# KiCad board data-center-rdimm-ddr5-tester.kicad_pcb (continued)
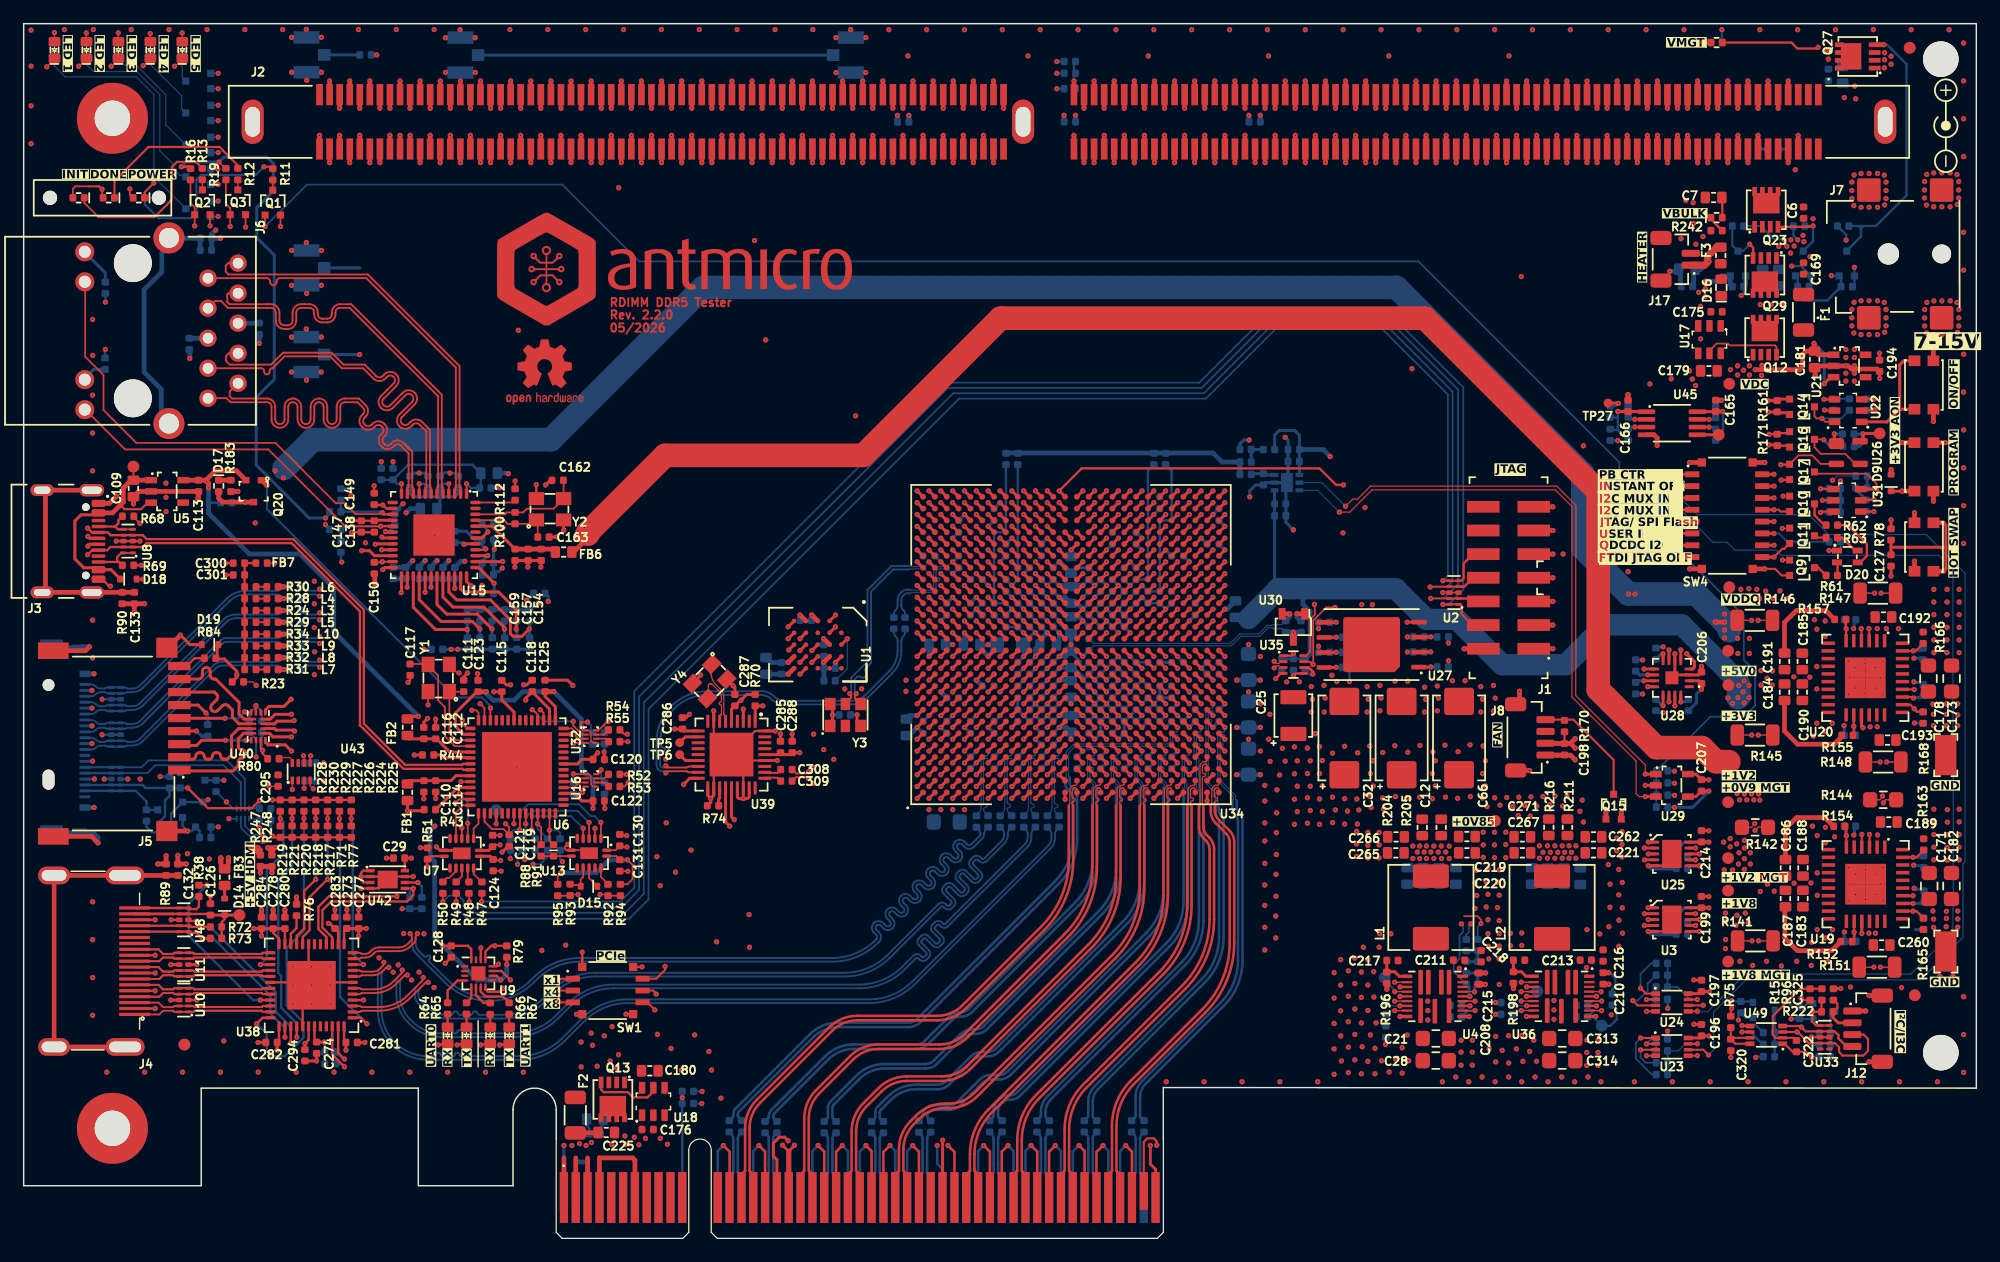
[diagram p0: board, top side]
## Nets (continued)
/Debug FTDI + VNA/AUX.TDO: R58.2 U34.A9
/Debug FTDI + VNA/AUX.TMS: R59.2 U34.D9
/Debug FTDI + VNA/BDBUS0: R56.1 U6.22 U13.2
/Debug FTDI + VNA/BDBUS1: R57.1 U6.23 U13.4
/Debug FTDI + VNA/BDBUS2: R58.1 U6.24 U13.5
/Debug FTDI + VNA/BDBUS3: R59.1 R88.2 U6.25
/Debug FTDI + VNA/CC1: J3.A5 R68.2 U8.5 U8.6
/Debug FTDI + VNA/CC2: J3.B5 R69.1 U8.1 U8.10
/Debug FTDI + VNA/DBG_USB_N: J3.A7 J3.B7 U6.7 U8.4 U8.7
/Debug FTDI + VNA/DBG_USB_P: J3.A6 J3.B6 U6.8 U8.2 U8.9
/Debug FTDI + VNA/FTDI.SCL: R92.2 R94.2 R179.2 U24.3
/Debug FTDI + VNA/FTDI.SDA: R93.1 R95.2 R176.2 U23.3
/Debug FTDI + VNA/FTDI_3V3: C113.2 C115.1 C118.1 C119.1 C120.1 C121.2 C128.2 C130.2 C235.2 C237.2 FB1.1 FB2.1 Q20.2 R43.1 R79.1 R251.2 U5.5 U6.16 U6.36 U6.44 U6.50 U7.1 U9.10 U9.16 U13.1 U16.1 U16.5 U32.1 U32.5
/Debug FTDI + VNA/FTDI_EECLK: U6.56 U9.11
/Debug FTDI + VNA/FTDI_EECS: U6.1 U9.12
/Debug FTDI + VNA/FTDI_EEDAT: U6.55 U9.14
/Debug FTDI + VNA/FTDI_JTAG_RST: TP1.1 U6.18
/Debug FTDI + VNA/FTDI_JTAG_TCK: U6.12 U7.3
/Debug FTDI + VNA/FTDI_JTAG_TDI: U6.13 U7.4
/Debug FTDI + VNA/FTDI_JTAG_TDO: U6.14 U7.5
/Debug FTDI + VNA/FTDI_JTAG_TMS: U6.15 U7.2
/Debug FTDI + VNA/FTDI_PWREN: Q20.1 R79.2 U6.54 U9.13
/Debug FTDI + VNA/FTDI_SCL: R92.1 U13.13
/Debug FTDI + VNA/FTDI_SDA_IN: D15.2 R93.2 U13.10
/Debug FTDI + VNA/FTDI_SDA_OUT: D15.1 U13.11
/Debug FTDI + VNA/FTDI_UART0_RX: U6.33 U16.2
/Debug FTDI + VNA/FTDI_UART0_TX: U6.32 U16.3
/Debug FTDI + VNA/FTDI_UART1_RX: U6.46 U32.2
/Debug FTDI + VNA/FTDI_UART1_TX: U6.42 U32.3
/Debug FTDI + VNA/FTDI_VCORE: C122.1 C123.1 C125.1 U6.2 U6.31 U6.43
/Debug FTDI + VNA/FTDI_VPHY: C112.1 C116.1 FB2.2 U6.5
/Debug FTDI + VNA/FTDI_VPLL: C110.1 C114.1 FB1.2 U6.9
/Debug FTDI + VNA/FTDI_XI: C111.1 U6.3 Y1.1
/Debug FTDI + VNA/FTDI_XO: C117.1 U6.4 Y1.3
/Debug FTDI + VNA/I2C_EN: R60.1 R91.1 U6.27
/Debug FTDI + VNA/JTAG.TCK: J1.6 R48.2 U2.2 U2.9 U34.AE12
/Debug FTDI + VNA/JTAG.TDI: J1.10 R49.2 U2.5 U2.6 U34.AB12
/Debug FTDI + VNA/JTAG.TDO: J1.8 R50.2 U2.4 U2.7 U34.Y10
/Debug FTDI + VNA/JTAG.TMS: J1.4 R47.2 U2.1 U2.10 U34.AB10
/Debug FTDI + VNA/LED_RX0: R65.2 U9.5
/Debug FTDI + VNA/LED_RX1: R67.2 U9.7
/Debug FTDI + VNA/LED_TX0: R64.2 U9.4
/Debug FTDI + VNA/LED_TX1: R66.2 U9.6
/Debug FTDI + VNA/UART0.RX: R53.2 U34.G10
/Debug FTDI + VNA/UART0.TX: R52.2 U34.G9
/Debug FTDI + VNA/UART1.RX: R55.2 U34.F9
/Debug FTDI + VNA/UART1.TX: R54.2 U34.F10
/Ethernet/ETH1_N: J6.2 U15.3
/Ethernet/ETH1_P: J6.1 U15.2
/Ethernet/ETH2_N: J6.4 U15.6
/Ethernet/ETH2_P: J6.3 U15.5
/Ethernet/ETH3_N: J6.8 U15.8
/Ethernet/ETH3_P: J6.7 U15.7
/Ethernet/ETH4_N: J6.10 U15.11
/Ethernet/ETH4_P: J6.9 U15.10
/Ethernet/ETH.MDC: U15.36 U34.C22
/Ethernet/ETH.MDIO: R110.1 U15.37 U34.A24
/Ethernet/ETH.REF_CLK: R107.1 R119.1 U15.41 U34.B24
/Ethernet/ETH.RX_CTL: R105.1 R117.1 U15.33 U34.C21
/Ethernet/ETH.RXC: R106.1 R118.1 U15.35 U34.B21
/Ethernet/ETH.RXD0: R101.1 R113.1 U15.32 U34.A19
/Ethernet/ETH.RXD1: R102.1 R114.1 U15.31 U34.B17
/Ethernet/ETH.RXD2: R103.1 R115.1 U15.28 U34.C17
/Ethernet/ETH.RXD3: R104.1 R116.1 U15.27 U34.A15
/Ethernet/ETH.TX_CTL: U15.25 U34.D21
/Ethernet/ETH.TXC: U15.24 U34.E21
/Ethernet/ETH.TXD0: U15.19 U34.B15
/Ethernet/ETH.TXD1: U15.20 U34.A18
/Ethernet/ETH.TXD2: U15.21 U34.A20
/Ethernet/ETH.TXD3: U15.22 U34.A17
/Ethernet/ETH.~{INT}: U15.38 U34.A25
/Ethernet/ETH.~{RESET}: R111.1 U15.42 U34.C23
/Ethernet/LED_LINK: J6.14 R109.1 R121.1 U15.17
/Ethernet/LED_SPD: J6.12 R108.1 R120.1 U15.15
/FPGA banks HD/FPGA_DDR.SCL: R122.2 R177.2 U24.1 U34.W15 U45.7
/FPGA banks HD/FPGA_DDR.SDA: R123.2 R174.2 U23.1 U34.W14 U45.6
/FPGA banks HD/FPGA_I3C.SCL: R97.1 U34.F12 U49.6
/FPGA banks HD/FPGA_I3C.SDA: R231.1 U34.G12 U49.5
/FPGA banks HD/HDMI_IN_I2C.SCL: U34.H12 U44.3
/FPGA banks HD/HDMI_IN_I2C.SDA: U34.J12 U44.2
/FPGA banks HD/HDMI_OUT_I2C.SCL: R236.1 U34.H13 U38.46
/FPGA banks HD/HDMI_OUT_I2C.SDA: R237.1 U34.J13 U38.47
/FPGA banks HD/USR_LED1: Q8.1 U34.J9
/FPGA banks HD/USR_LED2: Q7.1 U34.J10
/FPGA banks HD/USR_LED3: Q6.1 U34.J11
/FPGA banks HD/USR_LED4: Q5.1 U34.K9
/FPGA banks HD/USR_LED5: Q4.1 U34.K10
/FPGA banks HP/GCLK_100_LVDS+: U34.B19 Y3.4
/FPGA banks HP/GCLK_100_LVDS-: U34.B20 Y3.5
/FPGA banks HP/HyperRAM.CK_N: U1.B1 U34.E17
/FPGA banks HP/HyperRAM.CK_P: U1.B2 U34.E16
/FPGA banks HP/HyperRAM.DQ0: U1.D3 U34.H16
/FPGA banks HP/HyperRAM.DQ1: U1.D2 U34.C16
/FPGA banks HP/HyperRAM.DQ2: U1.C4 U34.E15
/FPGA banks HP/HyperRAM.DQ3: U1.D4 U34.D15
/FPGA banks HP/HyperRAM.DQ4: U1.D5 U34.G16
/FPGA banks HP/HyperRAM.DQ5: U1.E3 U34.H17
/FPGA banks HP/HyperRAM.DQ6: U1.E2 U34.D16
/FPGA banks HP/HyperRAM.DQ7: U1.E1 U34.G17
/FPGA banks HP/HyperRAM.RWDS: U1.C3 U34.G15
/FPGA banks HP/HyperRAM.~{CS}: R2.2 U1.A3 U34.H18
/FPGA banks HP/HyperRAM.~{RESET}: R1.2 U1.A4 U34.F15
/FPGA banks HP/SD.CD: D19.1 R23.1 R84.1 U34.E20
/FPGA banks HP/SD.CLK: U34.F18 U40.5
/FPGA banks HP/SD.CMD: U34.H19 U40.16
/FPGA banks HP/SD.DAT0: U34.G20 U40.3
/FPGA banks HP/SD.DAT1: U34.G21 U40.4
/FPGA banks HP/SD.DAT2: U34.F19 U40.1
/FPGA banks HP/SD.DAT3: U34.F20 U40.2
/FPGA banks HP/VREF: R255.2 R256.2 R257.2 R258.2 R259.2 R260.2
/FPGA banks HP/VREF_64: C333.1 R129.2 R257.1 U34.W18
/FPGA banks HP/VREF_65: C334.1 R130.2 R258.1 U34.V18
/FPGA banks HP/VREF_66: C335.1 R131.2 R259.1 U34.J18
/FPGA banks HP/VREF_67: C336.1 R132.2 R260.1 U34.J16
/FPGA banks HP/VRP_64: R133.1 U34.AF23
/FPGA banks HP/VRP_65: R134.1 U34.W21
/FPGA banks HP/VRP_66: R180.1 U34.M22
/FPGA banks HP/VRP_67: R182.1 U34.F17
/FPGA Config/DONE: Q3.1 R19.2 U34.AB11
/FPGA Config/DX_N: U34.T13 U35.3
/FPGA Config/DX_P: U34.T14 U35.2
/FPGA Config/FLASH.IO0: R6.2 U34.AD11
/FPGA Config/FLASH.IO1: R7.2 U34.AC12
/FPGA Config/FLASH.IO2: R8.2 U34.AC11
/FPGA Config/FLASH.IO3: R9.2 U34.AE11
/FPGA Config/FLASH.SCK: R10.1 U27.6 U34.Y11
/FPGA Config/FLASH.~{CS}: R3.2 U27.1 U34.AA12
/FPGA Config/FPGA_PWR.SCL: R159.2 R178.2 U24.2 U34.W13 U35.8
/FPGA Config/FPGA_PWR.SDA: R150.2 R175.2 U23.2 U34.W12 U35.7
/FPGA Config/INIT_B: Q2.1 R16.2 U34.W10
/FPGA Config/MODE0: R17.1 U34.AA10
/FPGA Config/POR_OVERRIDE: R37.2 R194.1 U34.Y12
/FPGA Config/PROGRAM_B: D9.1 R18.2 SW2.1 SW2.2 U34.AB9
/FPGA Config/PUDC_B: R21.2 R22.1 U34.W9
/FPGA Config/VREFN: C69.1 TP4.2 U34.P13
/FPGA Config/VREFP: C69.2 TP3.2 U34.R14
/FPGA Config/~{ALARM}: R20.2 U35.6
/FPGA Config/~{THERM}: R39.2 U35.4
/FPGA MGT Interface/GTR_REFCLK0_N: C222.1 U34.AB6
/FPGA MGT Interface/GTR_REFCLK0_P: C258.1 U34.AB7
/FPGA MGT Interface/GTY_224_TX0_N: C252.2 U34.AF6
/FPGA MGT Interface/GTY_224_TX0_P: C251.2 U34.AF7
/FPGA MGT Interface/GTY_224_TX1_N: C254.2 U34.AE8
/FPGA MGT Interface/GTY_224_TX1_P: C253.2 U34.AE9
/FPGA MGT Interface/GTY_224_TX2_N: C250.1 U34.AD6
/FPGA MGT Interface/GTY_224_TX2_P: C255.2 U34.AD7
/FPGA MGT Interface/GTY_224_TX3_N: C257.2 U34.AC4
/FPGA MGT Interface/GTY_224_TX3_P: C256.2 U34.AC5
/FPGA MGT Interface/GTY_225_TX0_N: C230.2 U34.AA4
/FPGA MGT Interface/GTY_225_TX0_P: C226.2 U34.AA5
/FPGA MGT Interface/GTY_225_TX1_N: C231.2 U34.W4
/FPGA MGT Interface/GTY_225_TX1_P: C227.2 U34.W5
/FPGA MGT Interface/GTY_225_TX2_N: C233.1 U34.U4
/FPGA MGT Interface/GTY_225_TX2_P: C228.2 U34.U5
/FPGA MGT Interface/GTY_225_TX3_N: C232.2 U34.R4
/FPGA MGT Interface/GTY_225_TX3_P: C229.2 U34.R5
/FPGA MGT Interface/HDMI_CTL.SCL: R239.1 U34.C14 U38.16 U39.22 U42.6
/FPGA MGT Interface/HDMI_CTL.SDA: R234.1 U34.D14 U38.15 U39.23 U42.5
/FPGA MGT Interface/HDMI_FPGA.RX0_N: C306.2 U34.M1
/FPGA MGT Interface/HDMI_FPGA.RX0_P: C307.2 U34.M2
/FPGA MGT Interface/HDMI_FPGA.RX1_N: C304.2 U34.K1
/FPGA MGT Interface/HDMI_FPGA.RX1_P: C305.2 U34.K2
/FPGA MGT Interface/HDMI_FPGA.RX2_N: C302.2 U34.H1
/FPGA MGT Interface/HDMI_FPGA.RX2_P: C303.2 U34.H2
/FPGA MGT Interface/HDMI_FPGA.TX0_N: C276.2 U34.N4
/FPGA MGT Interface/HDMI_FPGA.TX0_P: C275.2 U34.N5
/FPGA MGT Interface/HDMI_FPGA.TX1_N: C290.2 U34.L4
/FPGA MGT Interface/HDMI_FPGA.TX1_P: C279.2 U34.L5
/FPGA MGT Interface/HDMI_FPGA.TX2_N: C293.2 U34.J4
/FPGA MGT Interface/HDMI_FPGA.TX2_P: C292.2 U34.J5
/FPGA MGT Interface/HDMI_FPGA.TX_CLK_N: C245.2 U34.G4
/FPGA MGT Interface/HDMI_FPGA.TX_CLK_P: C244.2 U34.G5
/FPGA MGT Interface/HDMI_IN.CLK_N: C291.2 J11.9 L7.1 U41.5 U41.6
/FPGA MGT Interface/HDMI_IN.CLK_P: C289.2 J11.11 L8.1 U41.4 U41.7
/FPGA MGT Interface/HDMI_IN.D0_N: C306.1 J11.12 L9.1 U41.2 U41.9
/FPGA MGT Interface/HDMI_IN.D0_P: C307.1 J11.14 L10.1 U41.1 U41.10
/FPGA MGT Interface/HDMI_IN.D1_N: C304.1 J11.15 L5.1 U37.5 U37.6
/FPGA MGT Interface/HDMI_IN.D1_P: C305.1 J11.17 L3.1 U37.4 U37.7
/FPGA MGT Interface/HDMI_IN.D2_N: C302.1 J11.18 L4.1 U37.2 U37.9
/FPGA MGT Interface/HDMI_IN.D2_P: C303.1 J11.20 L6.1 U37.1 U37.10
/FPGA MGT Interface/HDMI_IN_CLK_C_N: C291.1 U34.M6
/FPGA MGT Interface/HDMI_IN_CLK_C_P: C289.1 U34.M7
/FPGA MGT Interface/HDMI_OUT.CLK_N: C245.1 U38.12
/FPGA MGT Interface/HDMI_OUT.CLK_P: C244.1 U38.11
/FPGA MGT Interface/HDMI_OUT.D0_N: C276.1 U38.9
/FPGA MGT Interface/HDMI_OUT.D0_P: C275.1 U38.8
/FPGA MGT Interface/HDMI_OUT.D1_N: C290.1 U38.6
/FPGA MGT Interface/HDMI_OUT.D1_P: C279.1 U38.5
/FPGA MGT Interface/HDMI_OUT.D2_N: C293.1 U38.3
/FPGA MGT Interface/HDMI_OUT.D2_P: C292.1 U38.2
/FPGA MGT Interface/HDMI_REC_CLK_C_N: C316.2 U39.17
/FPGA MGT Interface/HDMI_REC_CLK_C_P: C315.2 U39.16
/FPGA MGT Interface/HDMI_SI5319_C_CLK_N: C308.1 U39.29
/FPGA MGT Interface/HDMI_SI5319_C_CLK_P: C309.1 U39.28
/FPGA MGT Interface/HDMI_SI5319_CLK_N: C308.2 U34.P6
/FPGA MGT Interface/HDMI_SI5319_CLK_P: C309.2 U34.P7
/FPGA MGT Interface/PCIE.CLK_N: C222.2 J10.A14
/FPGA MGT Interface/PCIE.CLK_P: C258.2 J10.A13
/FPGA MGT Interface/PCIE.RXD0_N: J10.B15 U34.P1
/FPGA MGT Interface/PCIE.RXD0_P: J10.B14 U34.P2
/FPGA MGT Interface/PCIE.RXD1_N: J10.B20 U34.T1
/FPGA MGT Interface/PCIE.RXD1_P: J10.B19 U34.T2
/FPGA MGT Interface/PCIE.RXD2_N: J10.B24 U34.V1
/FPGA MGT Interface/PCIE.RXD2_P: J10.B23 U34.V2
/FPGA MGT Interface/PCIE.RXD3_N: J10.B28 U34.Y1
/FPGA MGT Interface/PCIE.RXD3_P: J10.B27 U34.Y2
/FPGA MGT Interface/PCIE.RXD4_N: J10.B34 U34.AB1
/FPGA MGT Interface/PCIE.RXD4_P: J10.B33 U34.AB2
/FPGA MGT Interface/PCIE.RXD5_N: J10.B38 U34.AD1
/FPGA MGT Interface/PCIE.RXD5_P: J10.B37 U34.AD2
/FPGA MGT Interface/PCIE.RXD6_N: J10.B42 U34.AE3
/FPGA MGT Interface/PCIE.RXD6_P: J10.B41 U34.AE4
/FPGA MGT Interface/PCIE.RXD7_N: J10.B46 U34.AF1
/FPGA MGT Interface/PCIE.RXD7_P: J10.B45 U34.AF2
/FPGA MGT Interface/PCIE.TXD0_N: C232.1 J10.A17
/FPGA MGT Interface/PCIE.TXD0_P: C229.1 J10.A16
/FPGA MGT Interface/PCIE.TXD1_N: C233.2 J10.A22
/FPGA MGT Interface/PCIE.TXD1_P: C228.1 J10.A21
/FPGA MGT Interface/PCIE.TXD2_N: C231.1 J10.A26
/FPGA MGT Interface/PCIE.TXD2_P: C227.1 J10.A25
/FPGA MGT Interface/PCIE.TXD3_N: C230.1 J10.A30
/FPGA MGT Interface/PCIE.TXD3_P: C226.1 J10.A29
/FPGA MGT Interface/PCIE.TXD4_N: C257.1 J10.A36
/FPGA MGT Interface/PCIE.TXD4_P: C256.1 J10.A35
/FPGA MGT Interface/PCIE.TXD5_N: C250.2 J10.A40
/FPGA MGT Interface/PCIE.TXD5_P: C255.1 J10.A39
/FPGA MGT Interface/PCIE.TXD6_N: C254.1 J10.A44
/FPGA MGT Interface/PCIE.TXD6_P: C253.1 J10.A43
/FPGA MGT Interface/PCIE.TXD7_N: C252.1 J10.A48
/FPGA MGT Interface/PCIE.TXD7_P: C251.1 J10.A47
/FPGA MGT Interface/XA: U39.6 Y4.1
/FPGA MGT Interface/XB: U39.7 Y4.3
/HDMI + SD Card/EQ_SEL: R218.2 R227.1 U38.21
/HDMI + SD Card/HDMI0.HPD: J4.19 R38.2 U48.5 U48.6
/HDMI + SD Card/HDMI_5V: D14.2 FB3.2
/HDMI + SD Card/HDMI_CONN_5V: C126.2 D14.1 J4.18 R72.2 R73.2 TP2.1 U48.4 U48.7
/HDMI + SD Card/HDMI_IN_5V: C93.1 J11.3 Q21.1 R81.2 R82.2 R85.2 U44.8 U47.4 U47.7
/HDMI + SD Card/HDMI_IN_5V.SCL: J11.5 U44.6 U47.2 U47.9
/HDMI + SD Card/HDMI_IN_5V.SDA: J11.6 U44.7 U47.1 U47.10
/HDMI + SD Card/HDMI_IN_HPD_CONN: J11.2 Q18.3 R81.1 U47.5 U47.6
/HDMI + SD Card/HDMI_OUT_C.SCL: J4.15 R73.1 U38.38 U48.1 U48.10
/HDMI + SD Card/HDMI_OUT_C.SDA: J4.16 R72.1 U38.39 U48.2 U48.9
/HDMI + SD Card/HDMI_OUT_CONN_CLK_N: J4.12 U11.5 U11.6 U38.25
/HDMI + SD Card/HDMI_OUT_CONN_CLK_P: J4.10 U11.4 U11.7 U38.26
/HDMI + SD Card/HDMI_OUT_CONN_D0_N: J4.9 U11.2 U11.9 U38.28
/HDMI + SD Card/HDMI_OUT_CONN_D0_P: J4.7 U11.1 U11.10 U38.29
/HDMI + SD Card/HDMI_OUT_CONN_D1_N: J4.6 U10.5 U10.6 U38.31
/HDMI + SD Card/HDMI_OUT_CONN_D1_P: J4.4 U10.4 U10.7 U38.32
/HDMI + SD Card/HDMI_OUT_CONN_D2_N: J4.3 U10.2 U10.9 U38.34
/HDMI + SD Card/HDMI_OUT_CONN_D2_P: J4.1 U10.1 U10.10 U38.35
/HDMI + SD Card/HDMI_VDD: C278.1 C280.1 C281.1 C282.1 C283.1 C284.2 R247.1 R248.1 U38.14 U38.23 U38.24 U38.37 U38.48
/HDMI + SD Card/I2C_EN/PIN: R77.2 R225.1 U38.10
/HDMI + SD Card/PRE_SEL: R217.2 R226.1 U38.20
/HDMI + SD Card/SD_CLK: J5.5 U40.8
/HDMI + SD Card/SD_CMD: J5.3 U40.13
/HDMI + SD Card/SD_DAT0: J5.7 U40.10
/HDMI + SD Card/SD_DAT1: J5.8 U40.9
/HDMI + SD Card/SD_DAT2: J5.1 U40.12
/HDMI + SD Card/SD_DAT3: J5.2 U40.11
/HDMI + SD Card/SLEW_CTL: R221.2 R230.1 U38.40
/HDMI + SD Card/SWAP/POL: R71.2 R224.1 U38.1
/HDMI + SD Card/TX_TERM_CTL: R220.2 R229.1 U38.36
/HDMI + SD Card/~{HDMI_SEL}: R219.2 R228.1 U38.27
/HyperRAM + QSPI Flash/IO0: R6.1 U27.5
/HyperRAM + QSPI Flash/IO1: R7.1 U27.2
/HyperRAM + QSPI Flash/IO2: R5.2 R8.1 U27.3
/HyperRAM + QSPI Flash/IO3: R4.2 R9.1 U27.7
/I^{2}C + I3C/I3C_EXT.SCL: J12.3 R241.1 U33.4 U33.7 U49.3
/I^{2}C + I3C/I3C_EXT.SDA: J12.4 R243.1 U33.2 U33.9 U49.4
/I^{2}C + I3C/PWR.SCL: R177.1 R178.1 R179.1 SW4.7 U3.9 U4.6 U12.2 U19.4 U24.7 U25.9 U28.4 U29.1 U36.6
/I^{2}C + I3C/PWR.SDA: R174.1 R175.1 R176.1 U3.8 U4.7 U12.3 U19.3 U20.3 U23.7 U25.8 U28.5 U29.3 U36.7
/PCIe connector/PRSNT#1: J10.A1 SW1.1 SW1.2 SW1.3
/PCIe connector/x1: J10.B17 SW1.6
/PCIe connector/x4: J10.B31 SW1.5
/PCIe connector/x8: J10.B48 SW1.4
/Supply/DC-DC AUX, MGT/FB1: R152.1 R153.2 U19.18
/Supply/DC-DC AUX, MGT/FB2: R154.1 R162.2 U19.6
/Supply/DC-DC AUX, MGT/FB3: R163.1 R164.2 U19.31
/Supply/DC-DC AUX, MGT/FB4: R165.1 R207.2 U19.24
/Supply/DC-DC AUX, MGT/MGTAVCC_local: C189.2 NT3.2 R144.1 R163.2 U19.1 U19.32
/Supply/DC-DC AUX, MGT/MGTAVCC_SEN_+: NT3.1 U25.1
/Supply/DC-DC AUX, MGT/MGTAVCC_SEN_-: NT11.1 U25.2
/Supply/DC-DC AUX, MGT/MGTAVCCAUX_local: C260.2 NT4.2 R151.1 R165.2 U19.22 U19.23
/Supply/DC-DC AUX, MGT/MGTAVCCAUX_SEN_+: NT4.1 U3.3
/Supply/DC-DC AUX, MGT/MGTAVCCAUX_SEN_-: NT12.1 U3.4
/Supply/DC-DC AUX, MGT/MGTAVTT_local: C186.2 C188.2 NT2.2 R142.1 R154.2 U19.8 U19.9
/Supply/DC-DC AUX, MGT/MGTAVTT_SEN_+: NT2.1 U25.3
/Supply/DC-DC AUX, MGT/MGTAVTT_SEN_-: NT10.1 U25.4
/Supply/DC-DC AUX, MGT/QDCDC1_VCC: C172.2 U19.25
/Supply/DC-DC IO/FB5: R155.1 R156.2 U20.18
/Supply/DC-DC IO/FB6: R157.1 R158.2 U20.6
/Supply/DC-DC IO/FB7: R166.1 R167.2 U20.31
/Supply/DC-DC IO/FB8: R168.1 R169.2 U20.24
/Supply/DC-DC IO/QDCDC2_VCC: C174.2 U20.25
/Supply/DC-DC VCCINT/I_{SUM}: U4.19 U36.19
/Supply/DC-DC VCCINT/PASS0: R181.1 R186.2 U4.11
/Supply/DC-DC VCCINT/PASS1: R185.1 U36.11
/Supply/DC-DC VCCINT/PWR.~{ALT}1: TP10.1 U4.8
/Supply/DC-DC VCCINT/PWR.~{ALT}2: TP25.1 U36.8
/Supply/DC-DC VCCINT/SET: U4.13 U36.13
/Supply/DC-DC VCCINT/TAKE0: R185.2 R186.1 R188.2 U4.12
/Supply/DC-DC VCCINT/TAKE1: R181.2 U36.12
/Supply/DC-DC VCCINT/V_{0SNS+}: C264.1 R201.1 R202.2 U4.22 U36.22
/Supply/DC-DC VCCINT/V_{CC}: C208.2 C210.2 R188.1 R196.2 R198.2 R252.2 U4.24 U36.24
/Supply/DC-DC VCCINT/VREF+: R200.1 TP24.1
/Supply/DC-DC VCCINT/VREF-: R202.1 TP23.1 U4.21 U36.21
/Supply/DC-DC VCCINT/~{PS}: R252.1 TP26.1 U36.17
/Supply/EN1: R184.1 U4.9 U31.6 U36.9
/Supply/EN2: R187.1 U19.19 U31.5
/Supply/EN3: R190.1 U20.19 U31.4
/Supply/heater: C321.2 C323.2 F3.2 J17.1
/Supply/PB_CTRL_OUT: R149.2 R160.2 SW4.1 U22.4
/Supply/QDCDC2_SCL: SW4.10 U20.4
/Supply/SEQ_EN: R206.2 SW4.16
/Supply/~{PB_CTRL_CLR}: Q14.3 R149.1 SW4.15 U22.6
/Supply/~{PB_CTRL_INT}: R160.1 SW4.2 U22.5
/Supply/~{PB_CTRL_IN}: SW5.3 SW5.4 U22.1
DAC_VREF: C332.2 R255.1 U12.6
FAN_PWM: Q15.1 U34.AA14
FPGA_POWER_CYCLE: Q16.1 R171.2 U34.AA15
FPGA_POWER_OFF: Q14.1 R161.2 U34.Y15
FTDI_DIS: R51.1 SW4.8 U7.8
HDMI_IN_CD: Q21.3 R86.1 U34.F14
HDMI_IN_HPD: Q19.1 R83.2 U34.B12
HDMI_OE: C294.1 U34.C12 U38.42
HDMI_OUT_HPD: U34.C13 U38.4
HDMI_REC_CLK_N: C316.1 R35.1 U34.D20
HDMI_REC_CLK_P: C315.1 R35.2 U34.D19
Heater_PWM: Q28.1 R250.2 U34.AB16
HOT_SWAP_BUTTON: C127.1 R78.2 SW3.3 SW3.4 U34.AF13
HOT_SWAP_GREEN: Q10.1 U34.AE13
HOT_SWAP_RED: Q11.1 U34.AF15
HOT_SWAP_YELLOW: Q9.1 U34.AF14
IN1: R139.1 SW4.3 U23.6 U24.6
IN2: R140.1 SW4.4 U23.5 U24.5
INT_CB: U34.A12 U39.3
LOL: U34.A14 U39.18
MODE2: R14.1 SW4.5 U34.AF12
PCIE.PWRGD: J10.A11 R191.1 R192.2 U34.A10
PG1: R136.2 U4.10 U36.10
PG2: R137.2 U19.26
PG3: R138.2 U20.26
POWER: Q1.1 R135.1 R136.1 R137.1 R138.1
SD_SEL: U34.B14 U43.4
USER_IN: R235.2 SW4.6 U34.AE15
VDC: C21.2 C28.2 C171.2 C173.2 C177.2 C178.2 C179.2 C180.2 C181.1 C182.2 C200.2 C201.2 C202.2 C211.2 C213.2 C313.2 C314.2 C326.2 C327.2 Q12.1 Q12.2 Q12.3 Q13.1 Q13.2 Q13.3 Q23.1 Q23.2 Q23.3 Q29.1 Q29.2 Q29.3 R238.2 R249.2 TP16.1 U4.1 U4.16 U17.6 U18.6 U19.28 U19.29 U20.28 U20.29 U21.1 U21.3 U36.1 U36.16
~{DDR_PRESENCE}: R27.2 U34.AD13
~{FPGA_I3C_EXT_PU}: Q22.1 R223.1 U34.F13
~{I3C_EXT_PU}: Q24.1 R232.1 U34.E13
~{SI_5319_RST}: R70.1 U34.A13 U39.1
Net-(C132-Pad1): C132.1 J4.SH R89.2
Net-(C133-Pad1): C133.1 J3.SH R90.2
Net-(C135-Pad2): C135.2 J6.5
Net-(C137-Pad2): C137.2 J6.6
Net-(C215-Pad2): C215.2 L1.1 U4.2 U4.3
Net-(C216-Pad2): C216.2 L2.1 U36.2 U36.3
Net-(C234-Pad1): C234.1 J6.SH R193.2
Net-(C264-Pad2): C264.2 R200.2 R201.2 R203.1
Net-(C300-Pad2): C300.2 C301.2 FB7.2 R24.2 R28.2 R29.2 R30.2 R31.2 R32.2 R33.2 R34.2
Net-(C325-Pad2): C325.2 J12.2 R222.1
Net-(D1-C): D1.1 R11.1
Net-(D2-C): D2.1 R13.1
Net-(D3-C): D3.1 R12.1
Net-(D4-A): D4.2 R40.1
Net-(D5-A): D5.2 R41.1
Net-(D6-A): D6.2 R42.1
Net-(D7-A): D7.2 R45.1
Net-(D8-A): D8.2 R46.1
Net-(D10-A): D10.2 R64.1
Net-(D11-A): D11.2 R65.1
Net-(D12-A): D12.2 R66.1
Net-(D13-A): D13.2 R67.1
Net-(D17-A): D17.2 Q20.3 R251.1
Net-(D17-C): D17.1 R183.1
Net-(D20-C_{G}): D20.3 R62.1
Net-(D20-C_{R}): D20.2 R63.1
Net-(D20-C_{Y}): D20.4 R61.1
Net-(D21-C): D21.1 R242.2
Net-(D22-C): D22.1 R246.2
Net-(J5-CD_SW1): J5.9 R84.2
Net-(J6-LED_G+): J6.11 R99.1
Net-(J6-LED_Y+): J6.13 R98.1
Net-(J14-Pad1): J14.1 R233.2
Net-(J15-Pad1): J15.1 J16.1
Net-(L3-Pad2): L3.2 R24.1
Net-(L4-Pad2): L4.2 R28.1
Net-(L5-Pad2): L5.2 R29.1
Net-(L6-Pad2): L6.2 R30.1
Net-(L7-Pad2): L7.2 R31.1
Net-(L8-Pad2): L8.2 R32.1
Net-(L9-Pad2): L9.2 R33.1
Net-(L10-Pad2): L10.2 R34.1
Net-(Q1-D): Q1.3 R11.2
Net-(Q2-D): Q2.3 R13.2
Net-(Q3-D): Q3.3 R12.2
Net-(Q4-D): Q4.3 R40.2
Net-(Q5-D): Q5.3 R41.2
Net-(Q6-D): Q6.3 R42.2
Net-(Q7-D): Q7.3 R45.2
Net-(Q8-D): Q8.3 R46.2
Net-(Q9-D): Q9.3 R61.2
Net-(Q10-D): Q10.3 R62.2
Net-(Q11-D): Q11.3 R63.2
Net-(Q12-G): Q12.4 U17.5
Net-(Q13-G): Q13.4 U18.5
Net-(Q15-D): J8.4 Q15.3 R170.1
Net-(Q16-D): Q16.3 R172.1 U26.3
Net-(Q17-D): C209.2 Q17.3 R206.1 U31.3
Net-(Q17-G): Q17.1 U26.2
Net-(Q18-G): Q18.1 Q19.3 R82.1
Net-(Q22-D): C318.2 Q22.3 R97.2 R231.2
Net-(Q23-G): Q23.4 Q25.3 R238.1
Net-(Q24-D): C324.2 Q24.3 R241.2 R243.2
Net-(Q24-S): C322.1 Q24.2 R15.1 R96.1 R232.2 U49.2
Net-(Q26-D): Q26.3 Q27.4 R244.1
Net-(Q28-D): Q28.3 Q29.4 R249.1
Net-(Q29-D): F3.1 Q29.5
Net-(R87-Pad1): R87.1 SW4.11
Net-(R126-Pad1): R126.1 TP27.1
Net-(R253-Pad1): R253.1 R254.2 R256.1
Net-(U3-ADDRSEL): R208.2 U3.6
Net-(U3-~{ALERT}): R143.1 U3.7
Net-(U4-ADDR): R197.2 U4.18
Net-(U4-BST): C215.1 U4.25
Net-(U4-I_{REF}): R189.2 U4.20
Net-(U4-V_{DRV}): C217.2 R196.1 U4.5
Net-(U6-REF): R44.2 U6.6
Net-(U6-~{RESET}): R43.2 U6.11
Net-(U7-B1Y): R47.1 U7.13
Net-(U7-B2Y): R48.1 U7.12
Net-(U7-B3Y): R49.1 U7.11
Net-(U7-B4): R50.1 U7.10
Net-(U13-OE): R88.1 R91.2 U13.8
Net-(U15-ISET): R112.2 U15.48
Net-(U15-XI): C162.2 R100.2 U15.46 Y2.3
Net-(U15-XO): C163.2 R100.1 U15.45 Y2.1
Net-(U16-B1): R52.1 U16.7
Net-(U16-B2): R53.1 U16.6
Net-(U25-ADDRSEL): R215.2 U25.6
Net-(U25-~{ALERT}): R210.1 U25.7
Net-(U28-IN1+): R209.1 U28.11
Net-(U28-IN2+): R212.1 U28.13
Net-(U28-IN3+): R213.1 U28.8
Net-(U28-IN4+): R214.1 U28.10
Net-(U28-~{PWRDN}): R173.1 U28.16
Net-(U30-OUT): C205.2 TP3.1 U30.2
Net-(U32-B1): R54.1 U32.7
Net-(U32-B2): R55.1 U32.6
Net-(U34L-MGTRREF_R): R36.1 U34.AD9
Net-(U36-ADDR): R199.2 U36.18
Net-(U36-BST): C216.1 U36.25
Net-(U36-I_{REF}): R195.2 U36.20
Net-(U36-V_{DRV}): C218.2 R198.1 U36.5
Net-(U38-HPD_SNK): R38.1 U38.33
Net-(U38-VSADJ): R76.2 U38.22
Net-(U39-CS): R74.2 U39.21
Net-(U39-RATE0): TP5.1 U39.11
Net-(U39-RATE1): TP6.1 U39.15
Net-(U43-ST): R80.1 U43.8
Net-(U45-EN): TP7.1 U45.5
Net-(U49-EN): C320.1 R75.1 U49.7 U49.8

Pads without a net: J1 12 14; J2 2 144 149 150 220 231 232; J3 A8 B8; J4 13 14; J8 3; J9 1; J10 A5 A6 A7 A8 A9 A10 A19 A32 A33 B5 B6 B8 B9 B10 B11 B12 B30; J11 1 7 8; U1 A2 A5 B5 C2 C5; U5 4; U6 17 19 20 26 28 29 30 34 35 37 38 39 40 47 48 49 51 52 53; U7 6 9; U9 1 2 3 9 15 17; U13 6 9 12; U15 13 43 47; U17 4; U18 4; U19 11 12; U20 11 12; U21 4; U27 9; U28 1 15; U33 5 6; U34 A3 A4 A22 A23 AA13 AB14 AB15 AC13 AC14 AC16 AE18 AF20 B1 B2 B6 B7 B10 B11 B16 B22 C3 C4 C11 C18 C19 D1 D2 D6 D7 D11 D13 D18 E4 E5 E10 E11 E12 E18 E22 F1 F2 F6 F7 F22 G11 G14 G19 G22 H6 H7 H9 H11 H14 J14 J15 K6 K7 M24 T6 T7 V6 V7 W16 Y6 Y7 Y13 Y16; U38 17 18 44 45; U39 2 4 9 12 13 14 27 30 33 34 35; U40 6; Y3 2

## Via types
v1: diameter 0.45, hole 0.1, Top to Bottom, 2625 vias

## Routing (per net, layer and track width the routed paths; a pad name or vN(x,y) marks a point on that pad's centre or on a via; arc(x,y) is an arc through that point)
+0V9_MGTAVCC: length 10.2
  Top w0.256: U34.AC7 v1(98.5,43.2) ; U34.J7 v1(83.5,43.2) ; U34.W7 v1(94.5,43.2) ; U34.N7 v1(87.5,43.2) ; U34.AA7 v1(96.5,43.2) ; U34.L7 v1(85.5,43.2)
  Bottom w0.256: C100.2 87,42.7 v1(87.5,43.2) ; C101.2 86,42.7 v1(85.5,43.2) ; U34.J7 v1(83.5,43.2) ; v1(98.5,43.2) 98.5,43.2 C168.2 ; v1(94.5,43.2) 95,43.7 C99.2 ; v1(96.5,43.2) C98.2
  Bottom w0.4: v1(88.5,42.2) C63.1 88.1,43.2 v1(87.5,43.2)
  vias: v1(144.78,37.6) v1(145,37.07) v1(145.4,37.57) v1(145.6,37.07) v1(146,37.57) v1(146.2,37.07) v1(146.6,37.57) v1(146.7,37.05)
+0V85: length 157.3
  Top w0.256: U34.V15 v1(93.5,52.2) ; U34.T9 v1(91.5,45.2) ; U34.R12 v1(90.5,48.2) ; U34.V17 v1(93.5,54.2) ; U34.R16 v1(90.5,53.2) ; U34.M13 v1(86.5,49.2) ; U34.V13 v1(93.5,49.2) ; U34.K15 v1(84.5,52.2) ; U34.R10 v1(90.5,46.2) ; U34.U12 v1(92.5,48.2) ; U34.T11 v1(91.5,47.2) ; U34.U16 v1(92.5,53.2) ; U34.V11 v1(93.5,47.2) ; U34.K11 v1(84.5,47.2) ; U34.L14 v1(85.5,51.2) ; U34.P11 v1(89.5,47.2) ; U34.M11 v1(86.5,47.2) ; U34.M17 v1(86.5,54.2) ; U34.T17 v1(91.5,54.2) ; U34.L10 v1(85.5,46.2) ; U34.K17 v1(84.5,54.2) ; U34.T15 v1(91.5,52.2) ; U34.R9 v1(90.5,45.2) ; U34.K13 v1(84.5,49.2) ; U34.U10 v1(92.5,46.2) ; U34.P9 v1(89.5,45.2) ; U34.U9 v1(92.5,45.2) ; U34.V9 v1(93.5,45.2) ; U34.P15 v1(89.5,52.2) ; U34.L9 v1(85.5,45.2) ; U34.L12 v1(85.5,48.2) ; U34.M15 v1(86.5,52.2) ; U34.L16 v1(85.5,53.2) ; U34.N16 v1(87.5,53.2) ; U34.P17 v1(89.5,54.2) ; U34.M9 v1(86.5,45.2) ; U34.N10 v1(87.5,46.2) ; U34.N9 v1(87.5,45.2) ; U34.N12 v1(87.5,48.2) ; U34.U14 v1(92.5,51.2)
  In2.Cu w0.1: v1(85.5,51.2) 85.8,51.2 85.9,51.1 85.9,50.68 85.47,50.25 84.74,50.25 83.9,49.41 83.9,44.99 84.29,44.6 86.7,44.6 86.9,44.4 86.9,25.87 92.42,20.35 105.78,20.35 110.46,25.02 121.7,25.02 122,25.32 122,26.3 v1(122.28,26.59)
  Bottom w0.15: v1(122.28,26.59) 122.13,26.44 TP24.2
  Bottom w0.201: R37.1 94,48.7 C42.2
  Bottom w0.256: v1(89.5,45.2) 90,44.7 C61.2 90.5,45.2 ; U34.K15 v1(85.5,51.2) 85.37,51.2 84.35,50.17 84.5,50.02 v1(84.5,49.2) 84.5,49.2 C26.2 ; C57.2 91.5,54.2 v1(91.5,54.2) 91,53.7 C65.2 90.5,53.2 v1(90.5,53.2) 90.5,53.2 C64.2 91.5,52.2 v1(91.5,52.2) C243.2 v1(92.5,51.2) ; v1(93.5,52.2) 93.5,52.2 C59.2 92.5,53.2 v1(92.5,53.2) U34.V17 C84.2 93,53.7 v1(93.5,54.2) 93.5,54.2 C58.2 ; v1(92.5,45.2) 92,44.7 C79.2 91.5,45.2 v1(91.5,45.2) ; v1(92.5,45.2) U34.U9 C48.2 ; v1(92.5,45.2) 92.5,45.2 C55.2 93,44.7 v1(93.5,45.2) ; C42.2 93.5,49.2 v1(93.5,49.2) ; v1(87.5,53.2) U34.M17 C40.2 87,53.7 v1(86.5,54.2) 86,54.7 C19.2 ; v1(91.5,45.2) 91.5,45.2 C48.2 ; v1(91.5,45.2) U34.T9 C67.2 ; v1(91.5,45.2) 91,44.7 C248.2 90.5,45.2 ; v1(87.5,46.2) 87,45.7 C33.2 87.5,45.2 v1(87.5,45.2) 87,44.7 C50.2 86.5,45.2 v1(86.5,45.2) 86,44.7 C51.2 85.5,45.2 v1(85.5,45.2) ; v1(89.5,54.2) C56.2 ; v1(89.5,52.2) 89.5,52.2 C86.2 ; C48.2 92,45.7 v1(92.5,46.2) 92.5,46.2 C92.2 93,46.7 v1(93.5,47.2) U34.V11 C247.2 93,47.7 v1(92.5,48.2) 92,47.7 C75.2 91.5,47.2 v1(91.5,47.2) ; 86,52.7 v1(86.5,52.2) ; 86,52.7 C39.2 ; 86,52.7 v1(85.5,53.2) U34.K17 C35.2 85,53.7 v1(84.5,54.2) 84.5,54.2 C34.2 ; C67.2 91,45.7 v1(90.5,46.2) 90.5,46.2 C90.2 89.5,47.2 v1(89.5,47.2) 90,47.7 C88.2 90.5,48.2 v1(90.5,48.2) 90.5,48.2 C246.2 ; C67.2 90.5,45.2 v1(90.5,45.2) 90.5,45.2 ; C46.2 84.5,47.2 v1(84.5,47.2) 84.5,47.2 C41.2 85.5,48.2 v1(85.5,48.2) 85.5,48.2 C43.2 U34.L12 v1(86.5,49.2) ; C62.1 88.45,48.2 v1(87.5,48.2) 87,47.7 C45.2 86.5,47.2 v1(86.5,47.2) U34.L10 v1(85.5,46.2) 85,45.7 C53.2 85.5,45.2 v1(85.5,45.2) ; v1(85.5,45.2) 85,44.7 C52.2 ; C13.2 84,52.7 v1(84.5,52.2) 85,51.7 C36.2
  Bottom w0.4: v1(89.5,52.2) 89.15,52.55 C239.1 88.15,52.55 v1(87.5,53.2) ; v1(89.5,47.2) 89.5,47.38 88.63,48.25 C62.1
  vias: v1(76.5,36.25) v1(77.5,36.25) v1(103.5,50.2) v1(103.5,46.2) v1(103.5,42.2) v1(104.5,49.2) v1(104.5,45.2) v1(104.5,41.2) v1(105.2,42.2) v1(105.3,44.3) v1(105.32,40.32) v1(105.85,34.3) v1(105.85,32.45) v1(105.82,30.77) v1(105.82,28.92) v1(105.8,27.25) v1(105.8,25.4) v1(105.9,37.92) v1(105.88,35.97) v1(106.12,39.17) v1(106.36,41.42) v1(106.6,40.35) v1(107.38,41.55) v1(107.38,39.27) v1(107.38,37.12) v1(107.38,35) v1(107.62,40.37) v1(107.62,38.22) v1(107.62,36.07) v1(108.48,41.45) v1(108.48,39.3) v1(108.48,37.25) v1(108.48,35.1) v1(108.72,40.37) v1(108.72,38.22) v1(108.72,36.17) v1(109.15,42.67) v1(109.5,41.57) v1(109.5,39.3) v1(109.5,37.15) v1(109.5,35) v1(109.74,40.4) v1(109.74,38.25) v1(109.74,36.1) v1(110.6,41.02) v1(110.6,37.3) v1(110.6,35.15) v1(110.84,36.22) v1(111.62,41.6) v1(111.62,37.17) v1(111.62,35.02) v1(111.86,36.12) v1(112.72,41.05) v1(112.65,37.15) v1(112.7,35.02) v1(112.82,36.22) v1(113.74,41.62) v1(113.8,39.3) v1(113.75,37.35) v1(113.86,36.42) v1(114.04,40.38) v1(114.04,38.25) v1(114.84,41.07) v1(114.82,37.22) v1(114.91,36.29) v1(115.86,41.65) v1(115.92,37.35) v1(116.94,37.2) v1(116.96,41.1) v1(117.95,37.3) v1(117.98,41.67) v1(119.04,39.3) v1(119.04,37.17) v1(119.08,41.12) v1(119.28,40.38) v1(119.28,38.25) v1(120.1,41.7) v1(120.14,37.3) v1(121.2,41.15) v1(121.16,37.2) v1(122.22,41.72) v1(122.25,37.35) v1(123.32,41.62) v1(123.28,39.3) v1(123.28,37.23) v1(123.52,40.38) v1(123.52,38.25) v1(123.65,36.5) v1(124.3,37.25) v1(124.75,36.62) v1(125.32,37.28) v1(125.84,36.5) v1(126.34,37.3) v1(126.3,35.75) v1(126.85,36.6) v1(127.3,35.7) v1(127.36,37.33) v1(127.85,36.55) v1(128.38,37.35) v1(128.95,36.67) v1(129.4,37.4) v1(130.04,36.55) v1(130.42,37.4) v1(131.5,36.1) v1(131.7,37.05) v1(131.8,35.2)
